# Altium PCB PI_CAN_Interface_v3.PcbDoc (continued)
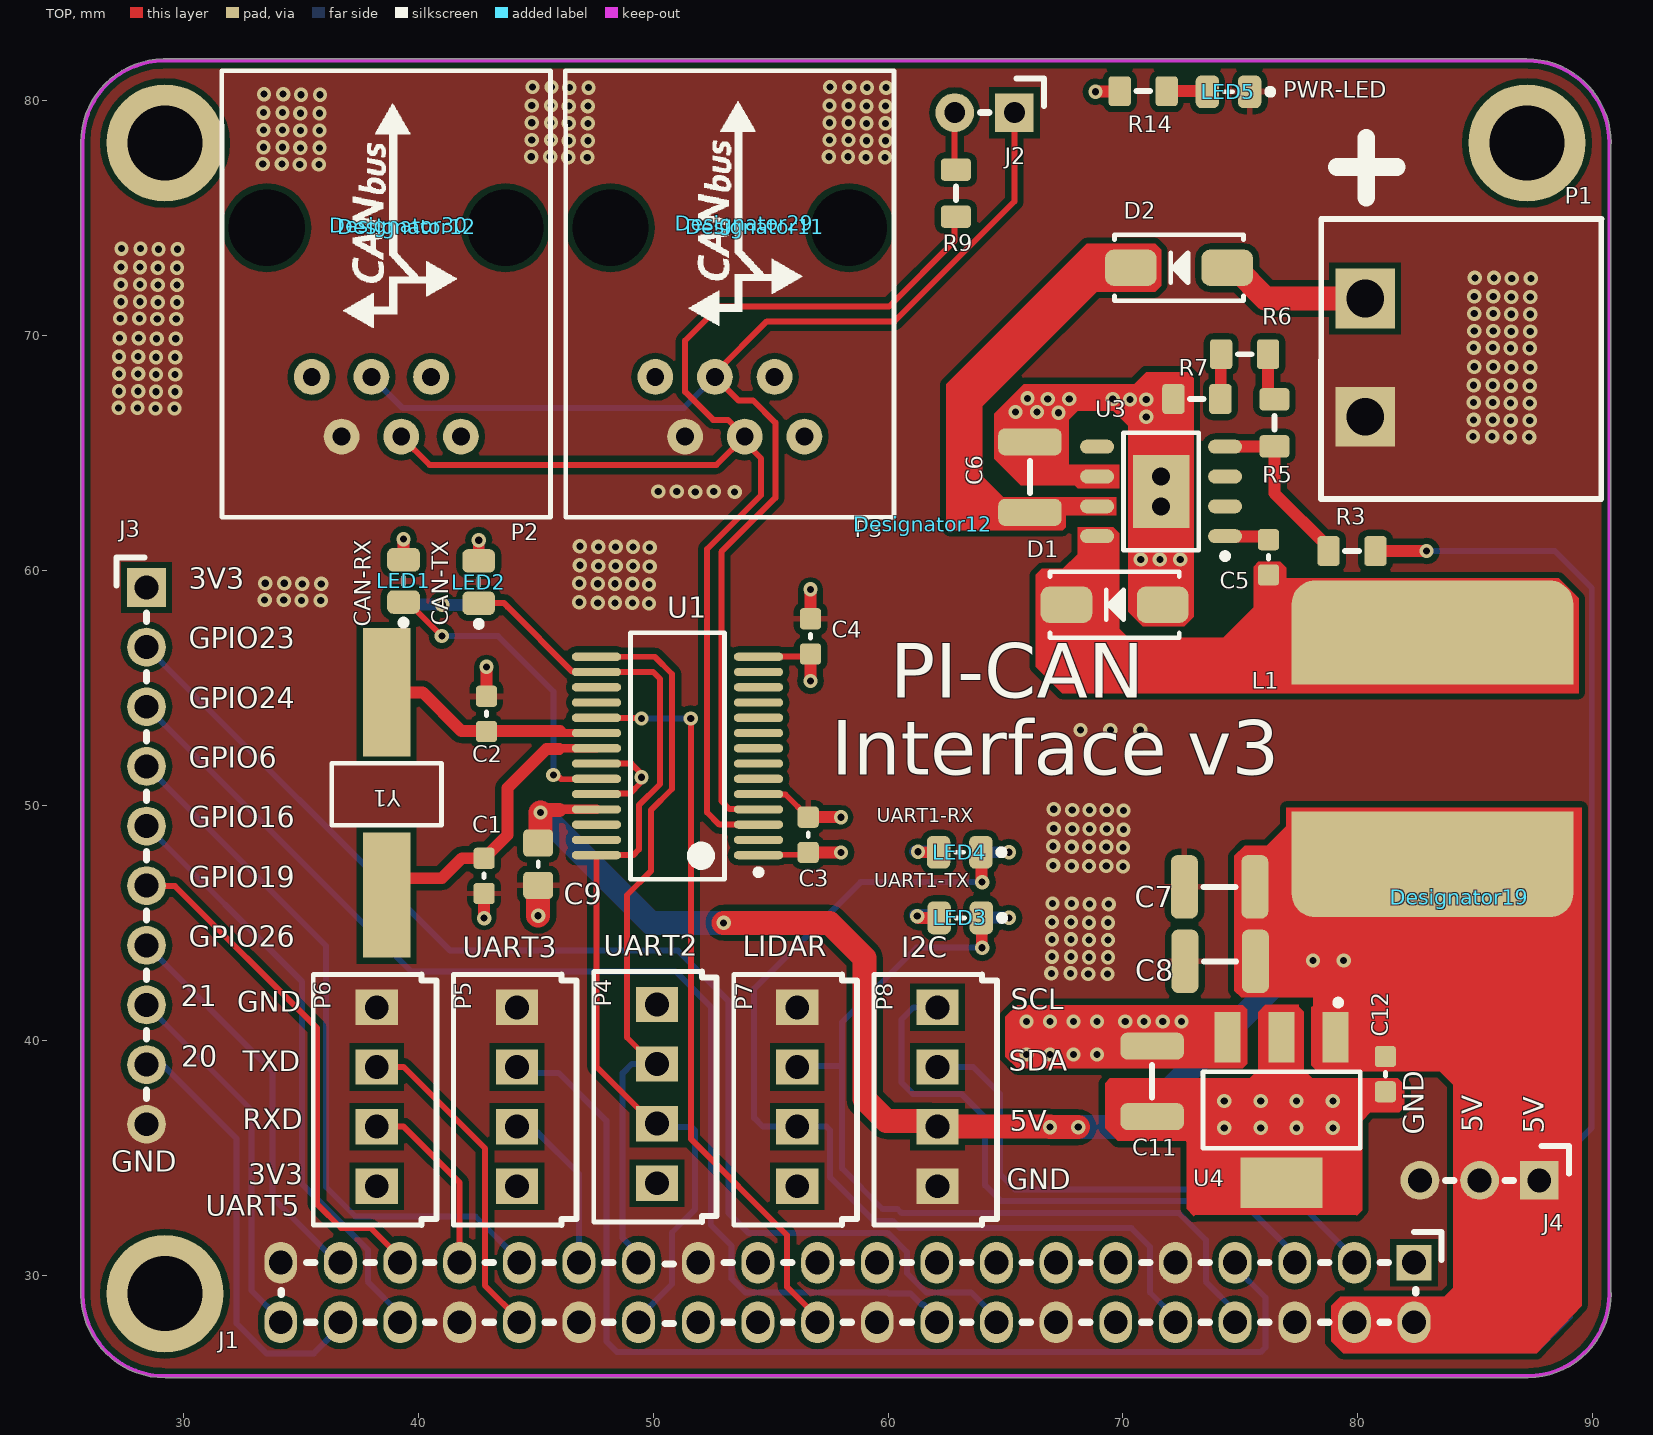
[diagram p0: TOP view]
## Footprints (in the part's own frame and the unit in brackets; to place one, negate y for a bottom-side part, rotate by r counter-clockwise, add the part's x,y. Pads: shape width x height; smd on the part's side, far side on the other; paste and mask are expansions set on the pad)
CANbus_LOGO_bottom_big [mm]
CANbus_LOGO_top [mm]
  silkscreen extent -4.37,-2.46 5.18,2.34
CER_0603 [mm]
  rrect30% 0.9x0.9 smd: 1(0,0.75) 2(0,-0.75)
  silkscreen extent 0,-0.08 0,0.08, body extent -0.4,-0.8 0.4,0.8, height 0.79
CER_0805 [mm]
  rrect30% 1.27x1.15 smd: 1(0,0.9) 2(0,-0.9)
  silkscreen extent 0,-0.1 0,0.1, body extent -0.62,-1 0.63,1, height 0.6
CER_1210 [mm]
  rrect50% 2.7x1.15 smd: 1(0.003,1.474) 2(0.003,-1.526)
  silkscreen extent 0,-0.71 0,0.66, body extent -1.25,-1.6 1.25,1.6, height 1
DO214AC [mm] "Diode,Molded Body;5.105mm L X 2.665mm W X 2.29mm H"
  rrect50% 2.2x1.55 smd: 1(-2.05,0) 2(2.05,0)
  silkscreen extent -2.75,-1.4 2.75,1.4, body extent -2.75,-1.4 2.75,1.4, height 2.6
HM1X2 [mil] "Single row pin header 1x2, 2.54mm"
  rect 65x65 hole 35: 1(-50,0)
  round 65 hole 35: 2(50,0)
  silkscreen extent -100,-57 7,0, body extent -100,-57 100,57, height 335
HM1X3 [mil] "Contact Mating Length-6.00mm"
  rect 65x65 hole 40: 1(-100,0)
  round 65 hole 40: 2(0,0) 3(100,0)
  silkscreen extent -150,-57 57,0, body extent -150,-57 150,57, height 335
HM1X10 [mil]
  rect 65x65 hole 40: 1(-450,0)
  round 65 hole 40: 2(-350,0) 3(-250,0) 4(-150,0) 5(-50,0) 6(50,0) 7(150,0) 8(250,0) 9(350,0) 10(450,0)
  silkscreen extent -500,-50 407,0, body extent -500,-50 500,50, height 336
HM2X20 [mil] "Double row pin header 2x20, 2.54mm"
  rect 59.06x59.06 hole 40: 1(-50,950)
  oval 70x55 hole 40: 2(50,950) 3(-50,850) 4(50,850) 5(-50,750) 6(50,750) 7(-50,650) 8(50,650) 9(-50,550) 10(50,550) 11(-50,450) 12(50,450) 13(-50,350) 14(50,350) 15(-50,250) 16(50,250) 17(-50,150) 18(50,150) 19(-50,50) 20(50,50) 21(-50,-50) 22(50,-50) 23(-50,-150) 24(50,-150) 25(-50,-250) 26(50,-250) 27(-50,-350) 28(50,-350) 29(-50,-450) 30(50,-450) 31(-50,-550) 32(50,-550) 33(-50,-650) 34(50,-650) 35(-50,-750) 36(50,-750) 37(-50,-850) 38(50,-850) 39(-50,-950) 40(50,-950)
  silkscreen extent -101,-949 52,996, body extent -99,-1007 97,1005, height 84
HSOP-8 [mm] "SOIC, 8-Leads, Body 4.90x3.90mm, Pitch 1.27mm, Thermal Pad 3.10x2.40mm, IPC Medium Density"
  oval 1.45x0.6 smd: 1(-2.725,1.905) 2(-2.725,0.635) 3(-2.725,-0.635) 4(-2.725,-1.905) 5(2.725,-1.905) 6(2.725,-0.635) 7(2.725,0.635) 8(2.725,1.905)
  rect 2.4x3.1 all layers, no hole: 9(0,0)
  silkscreen extent -2.85,-2.5 1.6,2.88, body extent -3.02,-2.36 3.01,2.34, height 1.7
INDUCTOR_SS1260-103MLD [mil]
  rect 75x472.44 smd: 1(144,15) 2(-144,15)
  rrect50% 157.48x472.44 smd: 1(202,15) 2(-205,15)
  body extent -247,-231 245,261, height 315
LED_GREEN_0805 [mm] "Diode GREEN;2.00mm L X 1.25mm W X 1.20mm H"
  rrect50% 1x1.4 smd: 1(-0.9,0) 2(0.9,0)
  silkscreen extent -1.9,-0.13 0.18,0.13, body extent -1.01,-0.62 1.01,0.63, height 1.1
LED_RED_0805 [mm] "Diode 2.00mm L X 1.25mm W X 1.20mm H"
  rrect50% 1x1.4 smd: 1(-0.9,0) 2(0.9,0)
  silkscreen extent -1.91,-0.13 0.18,0.13, body extent -1.05,-0.67 1.05,0.68, height 0.9
MEP_LOGO_BIG [mm]
OSCILATOR [mil]
  rect 210x80 smd: 1(170,-2)
  rect 215x80 smd: 2(-170,-2)
  silkscreen extent -51,-94 53,90, body extent -251,-95 253,95, height 169
PWR_CON [mm]
  rect 2.54x2.54 hole 1.6: 1(0,0) 2(0,5.029)
  silkscreen extent -1.88,-3.51 10.06,8.42, body extent -2.01,-3.59 10,8.57, height 8.73
RESC2013X38N-0805-NOOVERLAY [mm] "Resistor,Chip;2.03mm L X 1.27mm W X 0.6mm H"
  rrect30% 1.27x0.95 smd: 1(0,1) 2(0,-1)
  silkscreen extent 0,-0.29 0,0.29, body extent -0.62,-1 0.63,1, height 0.5
RJ11-6N-B [mm] "RJ11 MODULAR JACK 6 POSITION, 1 PORT"
  round 1.524 hole 0.76: 1(7.19,3.76) 2(4.65,2.49) 3(7.19,1.22) 4(4.65,-0.05) 5(7.19,-1.32) 6(4.65,-2.59)
  round 0 hole 3.25: ""(-1.7,5.66) ""(-1.7,-4.5)
  silkscreen extent -8.38,-6.42 10.63,7.58, body extent -8.04,-5.95 10.16,7.35, height 11.5
RPI_PWD_bottom_big [mm]
"SILK - RECYCLE maxi" [mm]
  silkscreen extent -0.04,0.19 6.41,8.9
"Silk - ROHS" [mm]
  silkscreen extent -2.91,-3.38 4.28,2.96
SOT223 [mm] "SOT-223/SC-73; 4 Leads; Body 6.7 x 7.3 mm, inc. leads (LxW max)"
  rect 1.1x2.15 smd: 1(-2.3,-3.1) 2(0,-3.1) 3(2.3,-3.1)
  rect 3.5x2.15 smd: 4(0,3.1)
  silkscreen extent -3.35,-4.7 3.35,1.63, body extent -3.25,-3.6 3.25,3.4, height 1.7
SSOP-28 [mm]
  oval 2.1x0.35 smd: 1(-4.586,3.517) 2(-4.586,2.867) 3(-4.586,2.217) 4(-4.586,1.567) 5(-4.586,0.917) 6(-4.586,0.267) 7(-4.586,-0.383) 8(-4.586,-1.033) 9(-4.586,-1.683) 10(-4.586,-2.333) 11(-4.586,-2.983) 12(-4.586,-3.633) 13(-4.586,-4.283) 14(-4.586,-4.933) 15(2.314,-4.933) 16(2.314,-4.283) 17(2.314,-3.633) 18(2.314,-2.983) 19(2.314,-2.333) 20(2.314,-1.683) 21(2.314,-1.033) 22(2.314,-0.383) 23(2.314,0.267) 24(2.314,0.917) 25(2.314,1.567) 26(2.314,2.217) 27(2.314,2.867) 28(2.314,3.517)
  silkscreen extent -4.71,-5.96 0.86,4.54, body extent -4.97,-5.85 2.79,4.48, height 2.15
TANT_1210 [mm]
  rrect50% 2.7x1.15 smd: 1(0.003,1.474) 2(0.003,-1.526)
  silkscreen extent 0,-0.71 0,0.66, body extent -1.4,-1.83 1.4,1.83, height 1.92
"TE CONNECTIVITY_4PIN_MALE" [mm] "BLUE_4PIN_CONECTOR"
  rect 1.5x1.8 hole 1.016: 1(0,0) 2(2.54,0) 3(5.08,0) 4(7.62,0)
  silkscreen extent -1.65,-2.54 9.02,2.7, body extent -1.27,-2.5 8.89,2.5, height 11.43

## Part data
C1 C2: library part 00002200, "CAP CER 20p 0805", Capacitance=6pF
C3 C4 C5 C12: library part 06032105, "CAP CER 100n 10V X5R 10% 0603"
  C3 C4 C12: Capacitance=100n
  C5: Capacitance=0.01uF
C6: library part 00002225, "CAP CER 2.2u X7R 100V 20% 1210", Capacitance=10uF
C7 C8: library part 00002108, "CAP CER 100u X5R 6.3V 10% 1210", Capacitance=100uF
C9: library part 00002105, "CAP CER 100n 50V X7R 10% 0805", Capacitance=100nF
C11: library part 00001106, "CAP TANT 10u"
D1: library part B360B, "DIODE SCHOTTKY 60V 3A DO214AC", Current  Average Rectified=3A, Manufacturer="Vishay Semiconductor Diodes Division", Package Case="DO-214AC, SMA", Recommended Rating=Silver, Voltage  DC Reverse=60V, Voltage  Forward="550mV @ 3A", Assembly=SMD, Barcode=0100000007488, Category="Discrete Semiconductor Products", Datasheet URL=http://www.vishay.com/docs/88896/b330la.pdf, Diode Type=Schottky, Family=DIODE, Id=62, item_id=1025, Manufacturer Part Number=B340A, Part Type="Discrete Semiconductors", Speed="Fast Recovery =< 500ns, > 200mA (Io)"
D2: "DIODE SCHOTTKY 40V 3A DO214AC", Current  Average Rectified=3A, Manufacturer="Vishay Semiconductor Diodes Division", Package Case="DO-214AC, SMA", Recommended Rating=Silver, Voltage  DC Reverse=40V, Voltage  Forward="550mV @ 3A", Assembly=SMD, Barcode=0100000007488, Category="Discrete Semiconductor Products", Datasheet URL=http://www.vishay.com/docs/88896/b330la.pdf, Diode Type=Schottky, Family=DIODE, Id=62, item_id=1025, Manufacturer Part Number=SK34, Part Type="Discrete Semiconductors", Speed="Fast Recovery =< 500ns, > 200mA (Io)"
J2: library part 00000003
J4: library part HEADER_1x3
L1: library part IND_10uH, "FIXED IND 10uH 3A", Current Rating=3A, DC Resistance=45mOhm, Manufacturer=Coilcraft, Manufacturer Part Number=XAL7030-103MEB, Package Case=8x8mm, Tolerance=20%, Assembly=SMD, Category="Inductors, Coils, Chokes", Datasheet URL=http://www.mouser.com/ds/2/597/MSS7348-1076571.pdf, Family=INDUCTOR, Inductance=15uH, Part Type="Inductor, Transf, Filter, Ferrite", Product Page Mouser=https://eu.mouser.com/ProductDetail/Coilcraft/MSS7348-103MEB/?qs=sGAEpiMZZMsg%252by3WlYCkU%252bbmGPYv72aIHZue6QQJkp0%3d
LED1 LED2 LED3 LED4: library part "LED_GREEN 0805", "LED GREEN CLEAR 0805 SMD", Color=Green, Lens Color=Colorless, Manufacturer=Kingbright, Manufacturer Part Number=APT2012SGC, Package Case="0805 (2012 Metric)", Recommended Rating=Platinum, Voltage Forward=2.2V, Assembly=SMD, Barcode=2911010024338, Category=Optoelectronics, Datasheet URL=http://www.kingbrightusa.com/images/catalog/SPEC/APT2012SGC.pdf, Family=LED, Id=28, item_id=3342, Lens Transparency=Clear, Part Type=Optoelectronics, Wavelength=568nm
LED5: library part LED_RED_0805, "LED RED 0805", Color=Red, Manufacturer="BRIGHT LED ELECTRONICS", Manufacturer Part Number=BL-HUB35A-AV-TRB, Package Case="0805 (2012 Metric)", Recommended Rating=Platinum, Voltage Forward="2.0 V", Assembly=SMD, Barcode=2911010024321, Family=LED, Id=35, item_id=3341, Part Type=Optoelectronics
P1: library part 00000002
P2 P3: library part 00000001, Manufacturer Part Number=RJ-11
P4 P5 P6 P7 P8: "BLUE_4PIN_CONECTOR", Manufacturer="TE CONNECTIVITY / AMP", Manufacturer Part Number 1=281695-3, Order Code 1=1205983, Price 1=£0.403, Supplier 1=uk.farnell.com
R3: library part 00005102, "RES SMD 51 kOhm 1/8W 0805", Power="0.125W, 1/8W", Assembly=SMD, Barcode=00005102, Resistance=10k
R5 R6 R7: library part 00009101, "RES SMD 9.1 kOhm 1/8W 0805", Power="0.125W, 1/8W", Assembly=SMD, Barcode=00009101
  R5: Resistance=220R
  R6: Resistance=820R
  R7: Resistance=2.2K
R9: library part 000001200, "RES SMD 120 Ohm 1/8W 0805", Resistance=120R
R10 R11 R12 R13 R14: library part 00001001, "RES SMD 1 kOhm 1/8W 0805", Power="0.125W, 1/8W", Assembly=SMD, Barcode=00009101, Resistance=1k
U4: library part 00000007, "IC REG LINEAR 5V 400MA SOT223-4", Datasheet Link=http://www.ti.com/lit/ds/symlink/lm2937.pdf, Manufacturer Part Number=LM2937-5
Y1: library part XtalSmd, "Crystal Oscillator", LatestRevisionDate=17-Jul-2002, LatestRevisionNote="Re-released for DXP Platform.", Order Code="Q16.000 MHz HC-49SM SMD", PackageReference=R38, Published=8-Jun-2000, Publisher="Altium Limited", Supplier=Comet.rs

## Free pads (board coordinates)
  round 5 hole 3.2: ""(29.21,29.21) ""(29.21,78.21) ""(87.21,78.21)

## Via types
v1: diameter 0.61, hole 0.305, TOP to BOT, tented both sides, 270 vias
v2: diameter 0.6, hole 0.3, TOP to BOT, 8 vias
v3: diameter 1.27, hole 0.762, TOP to BOT, 2 vias

## Nets (pads, with @x,y where several pads share a name; then routed paths per layer and width w, separated by ;. In a path a pad name is that pad's centre, name@x,y a point inside that pad or via, vN(x,y) a via of type N, cw(c..) or ccw(c..) an arc to the next point about the centre after c; other vN are vias at no path point)
CANH: J2.1 P2.4 P3.4 U1.4 | length 57.6
  TOP w0.254: U1.4 54.468,49.851 53.249,49.851 52.9,50.2 52.9,60.8 55.2,63.1 55.2,66.3 54.248,67.252 53.625,67.252 P3.4 52.63,68.403 54.839,70.612 60.274,70.612 65.38,75.717 J2.1
  BOT w0.254: P2.4 39.318,66.929 51.311,66.929 P3.4
CANL: P2.3 P3.3 R9.1 U1.3 | length 55.1
  TOP w0.254: P2.3 40.477,64.5 52.692,64.5 P3.3 ; U1.3 52.817,49.183 52.3,49.7 52.3,60.918 54.591,63.209 54.591,64.783 53.9,65.474 P3.3 ; R9.1@62.84,75.073 62.84,74.041 60.046,71.247 52.807,71.247 51.359,69.799 51.359,67.615 52.553,66.421 53.187,66.421 P3.3
CLKO: U1.18
GND: C1.1 C2.1 C3.1 C4.1 C6.1 C7.1 C8.1 C9.1 C11.2 C12.1 D1.2 J1.6 J1.9 J1.14 J1.20 J1.25 J1.30 J1.34 J1.39 J3.10 J4.3 LED5.1 P1.1 P2.5 P3.5 P4.4 P5.4 P6.4 P7.4 P8.1 R7.1 U1.5 U1.22 U1.24 U3.6 U3.9 U4.2 U4.4 | length 13.3
  TOP w0.254: U1.24 47.605,50.501 49.001,50.501 49.5,51 49.5,51.351 49.069,51.783 U1.22 ; U1.5 54.505,50.464 55.636,50.464 C3.1
  TOP w0.508: v1(42.8,45.2) C1.1 ; C2.1 v1(42.9,55.9) ; C3.1 v1(58,49.5) ; C4.1 v1(56.7,59.2)
  TOP w1.016: v1(45.1,45.3) C9.1
  other v1: 74.32,36.271 75.87,36.271 77.394,36.271 78.943,36.271 74.32,37.414 75.87,37.414 77.394,37.414 78.943,37.414 68.529,42.824 69.342,42.824 66.954,42.85 67.767,42.85 68.555,43.536 69.367,43.536 66.98,43.561 67.793,43.561 68.555,44.272 69.367,44.272 66.98,44.298 67.793,44.298 68.555,45.009 69.367,45.009 66.98,45.034 67.793,45.034 68.58,45.796 69.393,45.796 67.005,45.822 67.818,45.822 70.002,47.396 67.818,47.422 68.555,47.422 69.291,47.422 67.031,47.447 70.002,48.209 67.818,48.235 68.555,48.235 69.291,48.235 67.031,48.26 70.028,48.971 67.843,48.997 68.58,48.997 69.317,48.997 67.056,49.022 70.028,49.784 67.843,49.809 68.58,49.809 69.317,49.809 67.056,49.835 49.5,51.2 68.199,53.213 69.469,53.213 70.739,53.213 49.822,58.6 47.638,58.625 48.375,58.625 49.111,58.625 46.851,58.651 35.027,58.725 35.839,58.725 33.452,58.75 34.265,58.75 49.822,59.413 35.052,59.436 35.865,59.436 47.638,59.438 48.375,59.438 49.111,59.438 33.477,59.461 34.29,59.461 46.851,59.463 49.848,60.175 47.663,60.2 48.4,60.2 49.137,60.2 46.876,60.225 70.764,60.477 71.577,60.477 72.441,60.477 49.848,60.987 47.663,61.013 48.4,61.013 49.137,61.013 46.876,61.038 51.791,63.348 53.467,63.348 50.216,63.373 51.003,63.373 52.578,63.373 86.487,65.684 87.3,65.684 84.912,65.71 85.725,65.71 86.512,66.396 87.325,66.396 84.938,66.421 85.75,66.421 70.993,66.548 67.259,66.726 65.43,66.751 66.345,66.751 28.804,66.904 29.616,66.904 27.229,66.929 28.042,66.929 86.512,67.132 87.325,67.132 84.938,67.158 85.75,67.158 70.307,67.285 70.993,67.285 66.802,67.31 67.716,67.31 69.571,67.31 65.938,67.335 28.829,67.615 29.642,67.615 27.254,67.64 28.067,67.64 86.512,67.869 87.325,67.869 84.938,67.894 85.75,67.894 28.829,68.351 29.642,68.351 27.254,68.377 28.067,68.377 86.538,68.656 87.351,68.656 84.963,68.682 85.776,68.682 28.829,69.088 29.642,69.088 27.254,69.113 28.067,69.113 86.512,69.469 87.325,69.469 84.938,69.494 85.75,69.494 28.854,69.875 29.667,69.875 27.28,69.901 28.092,69.901 86.538,70.18 87.351,70.18 84.963,70.206 85.776,70.206 28.88,70.714 29.693,70.714 27.305,70.739 28.118,70.739 86.538,70.917 87.351,70.917 84.963,70.942 85.776,70.942 28.905,71.425 29.718,71.425 27.33,71.45 28.143,71.45 86.538,71.653 87.351,71.653 84.963,71.679 85.776,71.679 28.905,72.161 29.718,72.161 27.33,72.187 28.143,72.187 86.563,72.441 87.376,72.441 84.988,72.466 85.801,72.466 28.905,72.898 29.718,72.898 27.33,72.923 28.143,72.923 28.931,73.685 29.743,73.685 27.356,73.711 28.169,73.711 34.95,77.292 35.763,77.292 33.376,77.318 34.188,77.318 46.38,77.597 47.193,77.597 59.055,77.597 59.868,77.597 44.806,77.622 45.618,77.622 57.48,77.622 58.293,77.622 34.976,78.003 35.789,78.003 33.401,78.029 34.214,78.029 46.406,78.308 47.219,78.308 59.08,78.308 59.893,78.308 44.831,78.334 45.644,78.334 57.506,78.334 58.318,78.334 34.976,78.74 35.789,78.74 33.401,78.765 34.214,78.765 46.406,79.045 47.219,79.045 59.08,79.045 59.893,79.045 44.831,79.07 45.644,79.07 57.506,79.07 58.318,79.07 34.976,79.477 35.789,79.477 33.401,79.502 34.214,79.502 46.406,79.781 47.219,79.781 59.08,79.781 59.893,79.781 44.831,79.807 45.644,79.807 57.506,79.807 58.318,79.807 35.001,80.264 35.814,80.264 33.426,80.289 34.239,80.289 46.431,80.569 47.244,80.569 59.106,80.569 59.919,80.569 44.856,80.594 45.669,80.594 57.531,80.594 58.344,80.594
  other v3: 71.628,62.738 71.628,64.008
GPIO_06: J1.31 J3.4 | length 30.7
  BOT w0.254: J3.4 36.068,44.018 36.068,33.752 37.323,32.497 42.433,32.497 44.298,30.632 J1.31
GPIO_16: J1.36 J3.5 | length 25.6
  BOT w0.254: J3.5 35.052,42.494 35.052,33.874 37.846,31.08 37.846,29.718 39.218,28.346 J1.36
GPIO_19: J1.35 J3.6 | length 22
  TOP w0.254: J3.6 28.435,46.571 29.629,46.571 35.687,40.513 35.687,33.02 36.703,32.004 37.973,32.004 39.218,30.759 J1.35
GPIO_20: J1.38 J3.9 | length 18.6
  BOT w0.254: J3.9 29.108,38.964 32.258,35.814 32.258,27.94 33.528,26.67 35.547,26.67 36.678,27.8 J1.38
GPIO_21: J1.40 J3.8 | length 16.1
  BOT w0.254: J3.8@28.19,41.504 J3.8 32.893,37.033 32.893,29.337 34.138,28.092 J1.40
GPIO_23: J1.16 J3.2 | length 54
  BOT w0.254: J3.2 41.351,43.815 51.054,43.815 53.213,41.656 53.213,32.639 54.051,31.801 59.985,31.801 60.808,30.978 60.808,30.084 61.63,29.261 63.538,29.261 64.618,28.181 J1.16
GPIO_24: J1.18 J3.3 | length 50.9
  BOT w0.254: J3.3@28.473,54.204 J3.3 39.7,42.926 50.957,42.926 52.451,41.432 52.451,32.131 53.34,31.242 53.34,29.845 53.924,29.261 59.985,29.261 60.036,29.21 60.963,29.21 61.42,28.753 61.506,28.753 62.078,28.181 J1.18
GPIO_26: J1.37 J3.7 | length 17.2
  BOT w0.254: J3.7 33.782,38.684 33.782,33.308 36.559,30.531 J1.37 J1.37@36.678,30.709
I2C_SCL: J1.5 P8.4 | length 26.2
  BOT w0.254: P8.4 61.087,41.402 60.579,40.894 60.579,38.197 61.072,37.704 63.134,37.704 64.135,36.703 64.135,33.826 64.814,33.147 75.057,33.147 77.318,30.886 J1.5
I2C_SDA: J1.3 P8.3 | length 23.3
  BOT w0.254: P8.3 63.627,38.862 64.77,37.719 64.77,34.29 65.405,33.655 76.924,33.655 79.858,30.721 J1.3
I\N\T\: J1.22 U1.19 | length 32
  TOP w0.254: U1.19 47.603,53.716 49.484,53.716 v1(49.5,53.7) ; v1(51.6,53.7) 51.6,35.8 55.7,31.7 55.7,29.5 56.998,28.202 J1.22
  BOT w0.254: v1(49.5,53.7) v1(51.6,53.7)
NetC5_1: C5.1 D1.1 L1.1 U3.8
NetC5_2: C5.2 U3.1 | length 1.9
  TOP w0.508: U3.1 74.371,61.45 76.079,61.45 C5.2@76.2,61.329
NetC6_2: C6.2 D2.1 U3.7
NetD2_2: D2.2 P1.2 | length 6.4
  TOP w1.016: D2.2 74.765,72.898 76.075,71.588 P1.2
NetJ2_2: J2.2 R9.2 | length 2.4
  TOP w0.254: R9.2@62.84,77.073 J2.2
NetLED1_1: LED1.1 U1.23 | length 13.4
  TOP w0.254: LED1.1 39.553,58.663 v1(41,57.216) ; v1(45.75,51.3) 45.9,51.3 46.084,51.116 47.57,51.116 U1.23
  BOT w0.254: v1(41,57.216) 43.383,57.216 45.75,54.85 v1(45.75,51.3)
NetLED1_2: LED1.2 R10.1 | length 1.7
  TOP w0.508: LED1.2 v1(39.37,61.341)
  BOT w0.508: R10.1 v1(39.37,61.341)
NetLED2_2: LED2.2 R11.1 | length 1.7
  TOP w0.508: LED2.2 v1(42.57,61.29)
  BOT w0.508: R11.1 v1(42.57,61.29)
NetLED3_2: LED3.2 R12.1 | length 1.6
  TOP w0.508: v1@61.273,45.212 LED3.2
  BOT w0.508: v1@61.147,45.339 R12.1@61.849,45.339
  other v1: 61.247,45.288
NetLED4_2: LED4.2 R13.1 | length 1.6
  TOP w0.508: v1(61.273,48.031) 61.247,48.006 LED4.2
  BOT w0.508: v1@61.146,48.031 61.771,48.031 R13.1@61.822,47.981
NetLED5_2: LED5.2 R14.1 | length 1.7
  TOP w0.508: R14.1 73.573,80.416 LED5.2
NetR3_1: R3.1 R5.2 U3.4 | length 7.5
  TOP w0.508: U3.4 74.361,65.286 76.446,65.286 R5.2 76.454,63.295 78.756,60.993 R3.1
NetR5_1: R5.1 R6.2 | length 2.1
  TOP w0.508: R6.2 76.184,67.515 76.405,67.294 R5.1
NetR6_1: R6.1 R7.2 | length 1.9
  TOP w0.508: R7.2 74.168,67.326 74.168,69.199 R6.1
OSC1: C1.2 U1.21 Y1.1 | length 12.7
  TOP w0.35: 46,52.4 46.033,52.433 U1.21
  TOP w0.508: Y1.1 39.367,46.9 41,46.9 41.85,47.75 C1.2 43.8,48.75 43.8,50.749 45.451,52.4 46,52.4
OSC2: C2.2 U1.20 Y1.2 | length 9.7
  TOP w0.35: 46.033,53.162 46.112,53.083 U1.20
  TOP w0.508: Y1.2 40.182,54.818 41.838,53.162 46.033,53.162
RX3: J1.29 P5.2 | length 7.3
  BOT w0.254: P5.2 44.45,36.068 45.085,36.068 46.838,34.315 J1.29
RX5: J1.33 P6.2 | length 7.9
  TOP w0.254: P6.2 39.37,36.322 41.758,33.934 J1.33
RX_CAN: J1.28 LED2.1 P4.2 U1.16 U1.28 | length 42.2
  TOP w0.254: LED2.1 43.651,58.612 43.8,58.463 43.8,58.458 46.557,55.701 47.568,55.701 U1.16 49.999,55.683 50.292,55.39 50.292,50.91 49.392,50.01 49.392,48.123 49.151,47.883 U1.28 47.586,38.878 50.015,36.449 P4.2
  BOT w0.254: J1.28 49.378,28.19 50.8,29.613 50.8,31.814 51.786,32.8 51.786,36.151 51.637,36.3 50.314,36.3 P4.2 P4.2@50.315,36.449
RXD: J1.10 LED4.1 P7.2 | length 42.4
  TOP w0.508: LED4.1 63.989,47.968 63.989,46.755 v1(64.008,46.736)
  BOT w0.254: v1(64.008,46.736) 58.836,46.736 54.3,42.2 54.3,36.7 54.678,36.322 P7.2 57.378,36.322 57.531,36.169 57.531,34.163 59.385,32.309 60.195,32.309 60.5,32.004 70.358,32.004 71.158,31.204 71.158,29.261 72.238,28.181 J1.10
SPI_DI: J1.19
SPI_DO: J1.21
SPI_nCS: J1.24
SPI_SCK: J1.23
TX3: J1.7 P5.3 | length 46.6
  BOT w0.254: P5.3 44.45,38.608 45.974,38.608 48.006,36.576 48.006,27.178 48.463,26.721 75.87,26.721 76.073,26.924 76.073,29.045 74.778,30.34 J1.7
TX5: J1.32 P6.3 | length 14.1
  TOP w0.254: P6.3 39.37,38.862 42.837,35.395 42.837,29.553 44.298,28.092 J1.32
TX_CAN: J1.27 P4.3 U1.15 | length 31.7
  TOP w0.254: U1.15 50.067,56.333 50.8,55.6 50.8,50.7 49.9,49.8 49.9,47.2 48.884,46.184 48.884,40.12 50.015,38.989 P4.3
  BOT w0.254: J1.27 49.378,30.893 48.7,31.57 48.7,38.6 49.089,38.989 P4.3 P4.3@50.038,38.862
TXD: J1.8 LED3.1 P7.3 | length 37.8
  TOP w0.508: LED3.1 63.992,45.196 63.992,43.958 v1(64.008,43.942)
  BOT w0.254: P7.3@56.388,38.608 P7.3 56.172,38.9 58.039,38.9 ; v1(64.008,43.942) 61.214,43.942 58.039,40.767 58.039,38.9 ; J1.8 74.778,28.473 73.533,29.718 73.533,31.496 72.39,32.639 60.583,32.639 60.406,32.817 59.766,32.817 58.039,34.544 58.039,38.9
VCC-3V3: C3.2 C4.2 C11.1 J3.1 P2.2 P3.2 P4.1 P5.1 P6.1 P7.1 R10.2 R11.2 R12.2 R13.2 R14.2 U1.1 U1.14 U4.3 | length 13.7
  TOP w0.254: U1.1 54.505,47.901 56.399,47.901 C3.2@56.492,47.994 ; U1.14 54.505,56.351 56.601,56.351 C4.2
  TOP w0.508: C3.2@56.492,47.994 56.498,48 v1(58,48) ; v1(56.7,55.3) C4.2 ; v1(68.834,80.391) 68.847,80.404 69.853,80.404 R14.2
  BOT w0.508: R10.2 39.378,58.555 41.013,58.555 v1(41.021,58.547) 41.038,58.53 42.553,58.53 R11.2 ; R13.2 v1(65.151,48.006) ; R12.2 64.084,45.231 65.132,45.231 v1(65.151,45.212)
  other v1: 70.1,40.8 70.9,40.8 71.7,40.8 72.5,40.8
  other v2: 65.9,39.4 66.9,39.4 67.9,39.4 68.9,39.4 65.9,40.8 66.9,40.8 67.9,40.8 68.9,40.8
VCC-5V: C7.2 C8.2 C9.2 C12.2 J1.2 J1.4 J4.1 J4.2 L1.2 P8.2 R3.2 U1.25 U4.1 | length 87.2
  TOP w0.254: 46,49.8 46.033,49.833
  TOP w0.4: 46.033,49.833 U1.25
  TOP w0.508: R3.2 v1(82.931,60.833)
  TOP w0.6: v1@45.4,49.8 46,49.8
  TOP w1.016: C9.2 45.133,48.4 45.2,48.467 v1(45.2,49.7) ; v1(53,45) 57.5,45 59,43.5 59,37.5 59.936,36.564 61.861,36.564 P8.2 v1@66.9,36.322 ; v1(66.9,36.3) v1(68.1,36.3)
  BOT w0.254: v1(82.931,60.833) 88.392,60.833 89.967,59.258 89.967,36.271 J4.1
  BOT w1.016: v1(45.2,49.7) 49.9,45 v1(53,45) ; v1(66.9,36.3) v1(68.1,36.3) 70.4,36.3 77.5,43.4 v1@79.6,43.4
  other v1: 78.1,43.4 79.4,43.4
pads on no net: J1.1 J1.11 J1.12 J1.13 J1.15 J1.17 J1.26 P2. P2.1 P2.6 P3. P3.1 P3.6 U1.2 U1.6 U1.7 U1.8 U1.9 U1.10 U1.11 U1.12 U1.13 U1.17 U1.26 U1.27 U3.2 U3.3 U3.5

## Polygon pours and split planes (outlines as drawn)
GND on TOP "TOP-GND" (solid, pour order 66): 25.4,81.788 25.908,81.28 25.908,25.4 90.932,25.4 90.932,81.788
GND on BOT "BOT-GND" (solid, pour order 68): 25.4,81.788 25.908,81.28 25.908,25.4 90.932,25.4 90.932,81.788
GND on GND (split plane): 87.451,81.274 87.691,81.246 87.928,81.199 88.16,81.133 88.386,81.05 88.605,80.949 88.816,80.831 89.017,80.697 89.206,80.547 89.383,80.383 89.547,80.206 89.697,80.017 89.831,79.816 89.949,79.605 90.05,79.386 90.133,79.16 90.199,78.928 90.246,78.691 90.274,78.451 90.28,78.291 90.246,78.207 90.274,78.207 90.27,78.166 90.27,29.254 90.274,29.213 90.246,29.213 90.28,29.129 90.274,28.969 90.246,28.729 90.199,28.492 90.133,28.26 90.05,28.034 89.949,27.815 89.831,27.604 89.697,27.403 89.547,27.214 89.383,27.037 89.206,26.873 89.017,26.723 88.816,26.589 88.605,26.471 88.386,26.37 88.16,26.287 87.928,26.221 87.691,26.174 87.451,26.146 87.342,26.142 87.262,26.175 87.255,26.172 87.255,26.142 87.235,26.144 87.207,26.141 87.207,26.175 87.12,26.139 29.214,26.139 29.213,26.139 29.204,26.138 29.195,26.138 29.187,26.137 28.969,26.146 28.729,26.174 28.492,26.221 28.26,26.287 28.034,26.37 27.815,26.471 27.604,26.589 27.403,26.723 27.214,26.873 27.037,27.037 26.873,27.214 26.723,27.403 26.589,27.604 26.471,27.815 26.37,28.034 26.287,28.26 26.221,28.492 26.174,28.729 26.146,28.969 26.142,29.078 26.175,29.158 26.172,29.165 26.142,29.165 26.144,29.185 26.141,29.213 26.175,29.213 26.139,29.3 26.139,78.232 26.137,78.248 26.146,78.471 26.174,78.709 26.221,78.944 26.286,79.175 26.369,79.4 26.469,79.617 26.586,79.826 26.719,80.026 26.868,80.214 27.03,80.39 27.206,80.552 27.394,80.701 27.594,80.834 27.803,80.951 28.02,81.051 28.245,81.134 28.476,81.199 28.711,81.246 28.949,81.274 29.056,81.278 29.137,81.245 29.144,81.248 29.143,81.277 29.167,81.275 29.188,81.277 29.188,81.242 29.274,81.278 87.184,81.278 87.207,81.28 87.207,81.246 87.291,81.28
VCC-3V3 on PWR (split plane): 87.451,81.274 87.691,81.246 87.928,81.199 88.16,81.133 88.386,81.05 88.605,80.949 88.816,80.831 89.017,80.697 89.206,80.547 89.383,80.383 89.547,80.206 89.697,80.017 89.831,79.816 89.949,79.605 90.05,79.386 90.133,79.16 90.199,78.928 90.246,78.691 90.274,78.451 90.28,78.291 90.246,78.207 90.274,78.207 90.27,78.166 90.27,29.254 90.274,29.213 90.246,29.213 90.28,29.129 90.274,28.969 90.246,28.729 90.199,28.492 90.133,28.26 90.05,28.034 89.949,27.815 89.831,27.604 89.697,27.403 89.547,27.214 89.383,27.037 89.206,26.873 89.017,26.723 88.816,26.589 88.605,26.471 88.386,26.37 88.16,26.287 87.928,26.221 87.691,26.174 87.451,26.146 87.342,26.142 87.262,26.175 87.255,26.172 87.255,26.142 87.235,26.144 87.207,26.141 87.207,26.175 87.12,26.139 29.214,26.139 29.213,26.139 29.204,26.138 29.195,26.138 29.187,26.137 28.969,26.146 28.729,26.174 28.492,26.221 28.26,26.287 28.034,26.37 27.815,26.471 27.604,26.589 27.403,26.723 27.214,26.873 27.037,27.037 26.873,27.214 26.723,27.403 26.589,27.604 26.471,27.815 26.37,28.034 26.287,28.26 26.221,28.492 26.174,28.729 26.146,28.969 26.142,29.078 26.175,29.158 26.172,29.165 26.142,29.165 26.144,29.185 26.141,29.213 26.175,29.213 26.139,29.3 26.139,78.232 26.137,78.248 26.146,78.471 26.174,78.709 26.221,78.944 26.286,79.175 26.369,79.4 26.469,79.617 26.586,79.826 26.719,80.026 26.868,80.214 27.03,80.39 27.206,80.552 27.394,80.701 27.594,80.834 27.803,80.951 28.02,81.051 28.245,81.134 28.476,81.199 28.711,81.246 28.949,81.274 29.056,81.278 29.137,81.245 29.144,81.248 29.143,81.277 29.167,81.275 29.188,81.277 29.188,81.242 29.274,81.278 87.184,81.278 87.207,81.28 87.207,81.246 87.291,81.28

## Keep-outs
Keep-Out Layer:
  lines w0.152: 25.705,29.158 ccw(c29.21,29.21) 29.213,25.705 87.207,25.705 ; 25.705,29.213 25.705,78.232 ; 25.705,78.229 cw(c29.188,78.232) 29.137,81.715 ; 29.188,81.712 87.21,81.712 ; 87.207,81.715 cw(c87.21,78.21) 90.715,78.207 ; 87.262,25.705 ccw(c87.21,29.21) 90.715,29.213 ; 90.703,29.202 90.703,78.218

## Other copper
TOP:
  region net VCC-5V: 76.962,49.124 76.124,48.285 75.184,48.285 74.752,47.854 74.752,42.113 75.032,41.834 78.105,41.834 78.105,44.831 77.597,44.831 76.962,45.466
  region net GND: 77.699,38.379 78.054,38.379 77.699,38.735
  region net GND: 73.025,32.512 72.72,32.817 72.72,35.662 72.669,35.712 69.774,35.712 69.24,36.246 69.24,38.176 69.444,38.379 75.413,38.379 75.768,38.735 75.768,41.199 76.073,41.504 77.495,41.504 77.495,41.427 77.699,41.224 77.699,38.379 81.712,38.379 81.991,38.1 81.991,37.135 81.966,37.135 81.763,36.932 80.543,36.932 80.188,36.576 80.188,32.766 79.959,32.537 79.934,32.563 73.076,32.563
  region net VCC-5V: 81.712,38.684 83.49,38.684 84.074,38.1 84.074,29.464 83.693,29.083 79.248,29.083 78.867,28.702 78.867,27.178 79.375,26.67 87.63,26.67 89.535,28.702 89.535,28.829 89.535,41.275 81.915,41.275
  region net VCC-5V: 76.962,49.911 76.962,45.466 77.597,44.831 78.105,44.831 78.105,41.478 81.712,41.478 81.915,41.275 89.535,41.275 89.535,49.911
  region net NetC5_1: 66.294,57.531 66.294,57.15 70.231,57.15 69.85,57.531
  region net NetC5_1: 74.27,57.15 75.565,58.445 75.565,60.173 75.768,60.376 76.708,60.376 76.962,60.122 76.962,59.665 88.57,59.665 89.408,58.826 89.408,54.788 67.412,54.788 66.294,55.905 66.294,57.15
  region net NetC5_1: 68.072,61.849 68.072,60.706 67.437,60.071 66.548,60.071 66.294,59.817 66.294,57.531 69.85,57.531 69.85,61.595 69.596,61.849
  region net NetC6_2: 64.897,63.119 64.008,64.008 64.008,67.005 65.73,68.727 68.885,71.882 71.374,71.882 71.628,72.136 71.628,73.66 71.374,73.914 68.453,73.914 62.484,67.945 62.484,63.119
  region net NetC6_2: 69.723,63.119 69.723,62.357 67.564,62.357 67.564,61.849 67.437,61.722 62.611,61.722 62.484,61.849 62.484,63.119
  region net GND: 73.025,66.294 73.025,58.039 72.619,57.633 70.841,57.633 70.231,58.242 70.231,66.167 69.596,66.802 71.12,66.802 71.628,66.294
  region net GND: 67.691,66.421 68.072,66.802 71.12,66.802 71.628,66.294 73.025,66.294 73.025,68.199 72.771,68.453 72.644,68.453 70.993,68.453 70.485,67.945 65.786,67.945 64.516,66.675 64.516,66.421
  region net GND: 64.516,64.77 65.659,63.627 67.945,63.627 68.072,63.5 69.85,63.5 69.85,64.516 67.691,64.516 67.691,66.421 64.516,66.421
  region net VCC-5V: 81.966,38.938 81.712,38.684 78.283,38.684 78.029,38.938 78.029,41.402 78.105,41.478 81.712,41.478 81.966,41.224
  region net VCC-3V3: 75.298,41.3 75.298,39.002 75.097,38.8 65.5,38.8 64.999,39.301 64.999,41.001 65.5,41.502 75.097,41.502
BOT:
  pour cut-out: 78.608,27.178 78.608,25.913 78.613,25.908 78.74,25.908 78.74,27.05 78.74,27.051
  region net VCC-5V: 84.074,35.179 84.328,35.433 89.154,35.433 89.154,28.194 87.63,26.67 79.375,26.67 78.867,27.178 78.867,28.702 79.248,29.083 83.693,29.083 84.074,29.464 84.074,34.671

## Silkscreen, mask and mechanical layers (free items; w line width, h text height)
Top Overlay:
  lines w0.762: 79.121,77.191 81.661,77.191 ; 80.366,75.895 80.366,78.435
  text "PWR-LED" at 76.835,79.908 h1.2
  text "3V3" at 30.226,58.928 h1.52
  text "CAN-TX" at 41.504,57.658 h1.2 r90
  text "CAN-RX" at 38.202,57.607 h1.2 r90
  text "GPIO23" at 30.226,56.388 h1.52
  text "GPIO24" at 30.226,53.848 h1.52
  text "PI-CAN" at 60.096,53.815 h4
  text "GPIO6" at 30.226,51.308 h1.52
  text "Interface" at 57.582,50.547 h4
  text "v3" at 72.746,50.547 h4
  text "UART1-RX" at 59.512,49.098 h1
  text "GPIO16" at 30.226,48.768 h1.52
  text "UART1-TX" at 59.411,46.33 h1
  text "GPIO19" at 30.226,46.228 h1.52
  text "GPIO26" at 30.226,43.688 h1.52
  text "UART2" at 47.904,43.307 h1.5
  text "LIDAR" at 53.823,43.282 h1.5
  text "UART3" at 41.885,43.231 h1.5
  text "I2C" at 60.554,43.231 h1.5
  text "21" at 29.87,41.148 h1.52
  text "SCL" at 65.227,41.021 h1.5
  text "GND" at 32.294,40.914 h1.5
  text "20" at 29.896,38.583 h1.52
  text "SDA" at 65.151,38.405 h1.5
  text "TXD" at 32.512,38.379 h1.5
  text "5V" at 85.598,36.093 h1.5 r90
  text "5V" at 88.214,36.017 h1.5 r90
  text "GND" at 83.109,35.966 h1.5 r90
  text "RXD" at 32.512,35.916 h1.5
  text "5V" at 65.176,35.839 h1.5
  text "GND" at 26.924,34.112 h1.52
  text "3V3" at 32.766,33.579 h1.5
  text "GND" at 65.049,33.35 h1.5
  text "UART5" at 30.937,32.233 h1.5
Bottom Overlay: